# Altium PCB APC1_Sensors.PcbDoc
Units mil, origin at the board's own origin, x right, y up, seen from the top; angles counter-clockwise.
Board outline 1732.28 x 1732.28 mil, 2 copper layers (Top Layer, Bottom Layer), stack 62.209 mil thick; 57 components, 51 nets, 255 pads, 165 vias.
Unrouted connection lines stored in the file: 2.
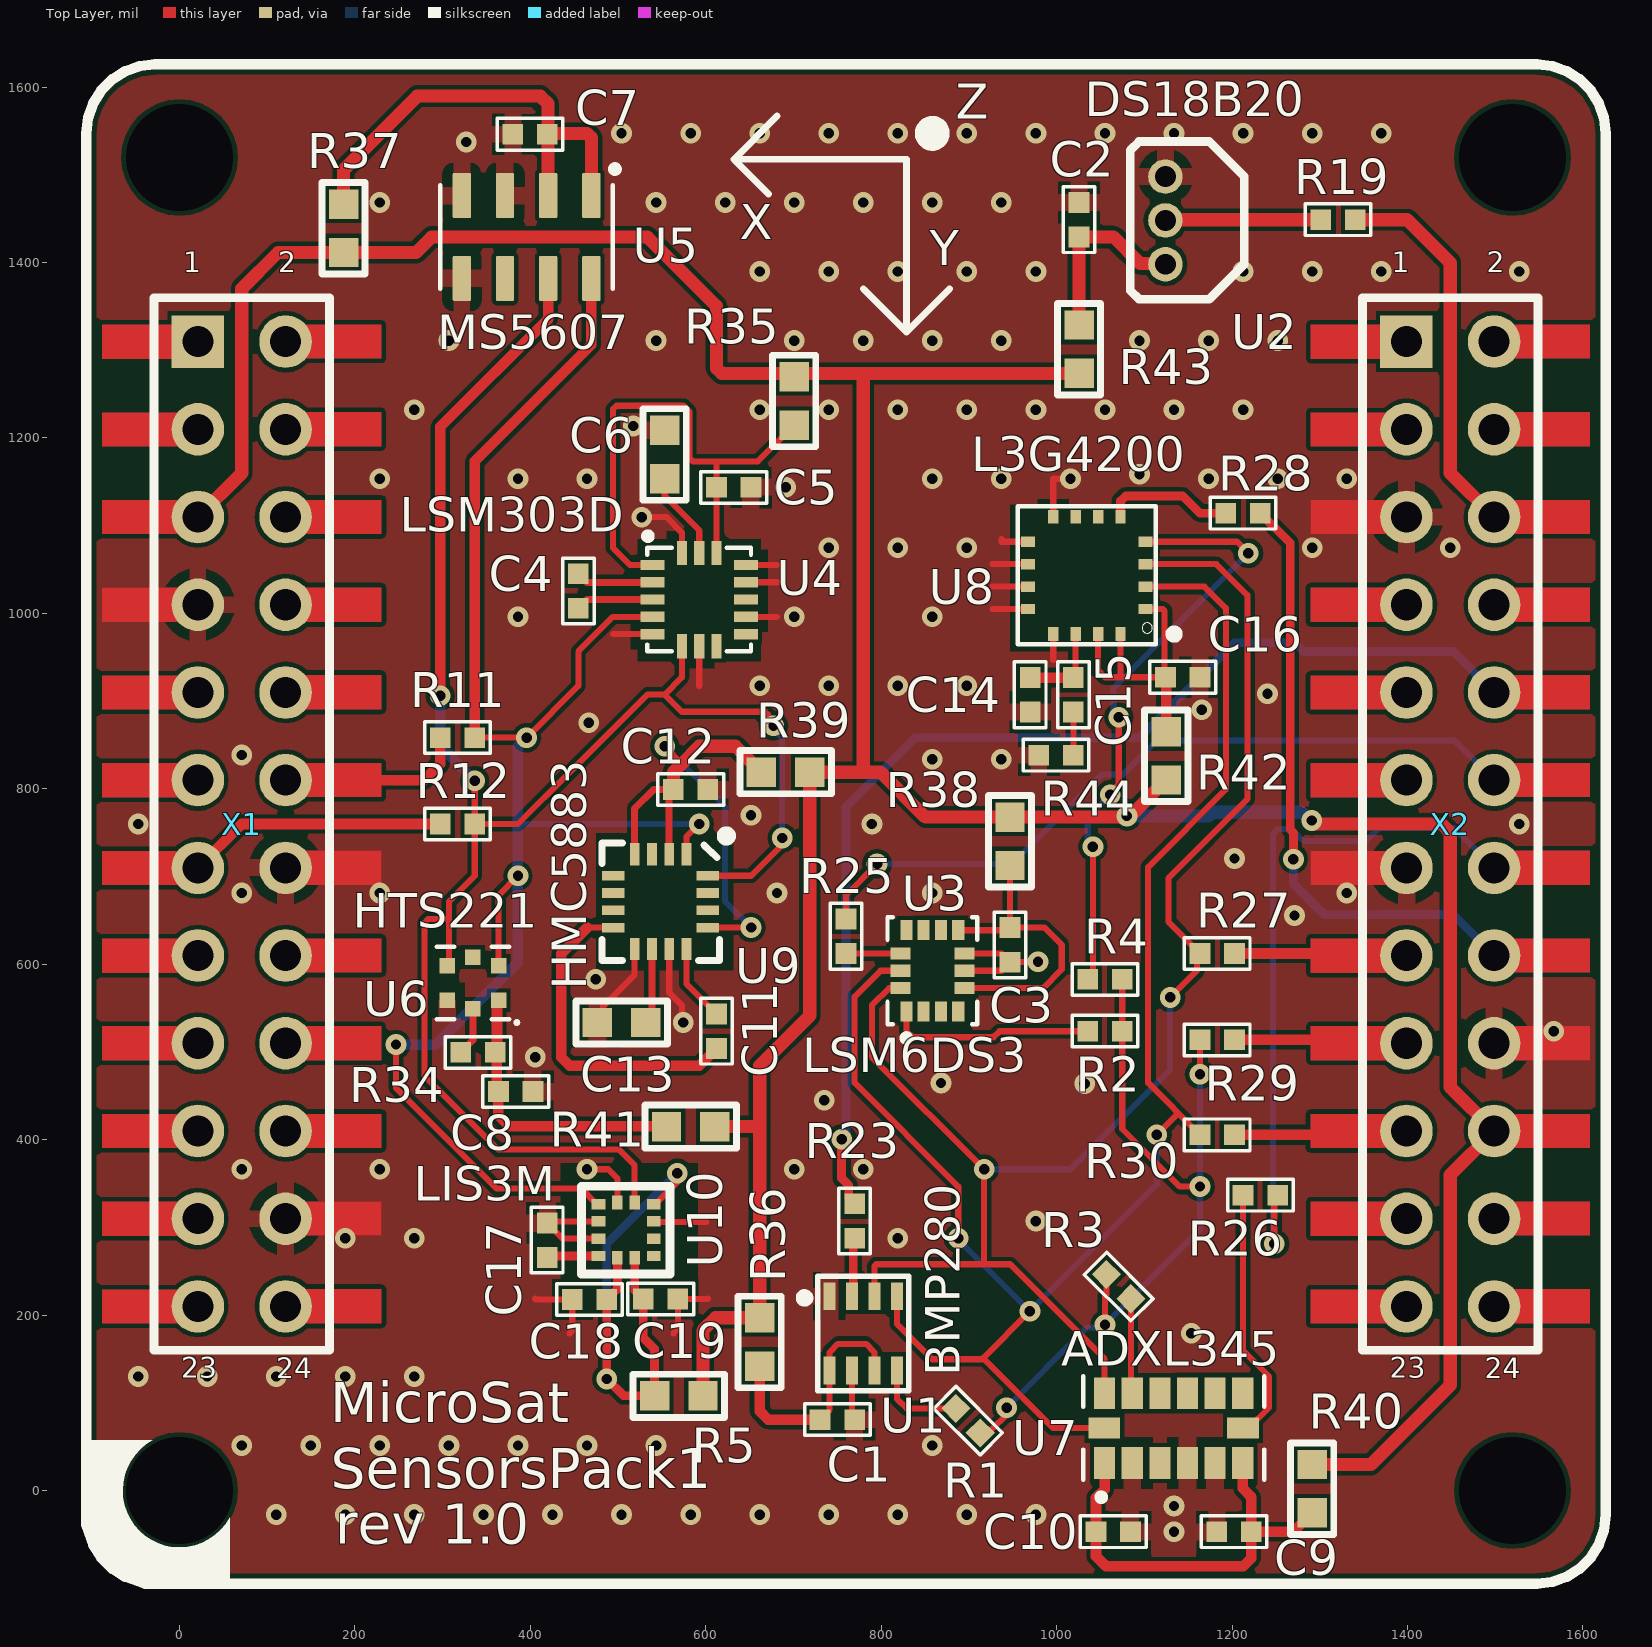
[diagram p0: Top Layer view]
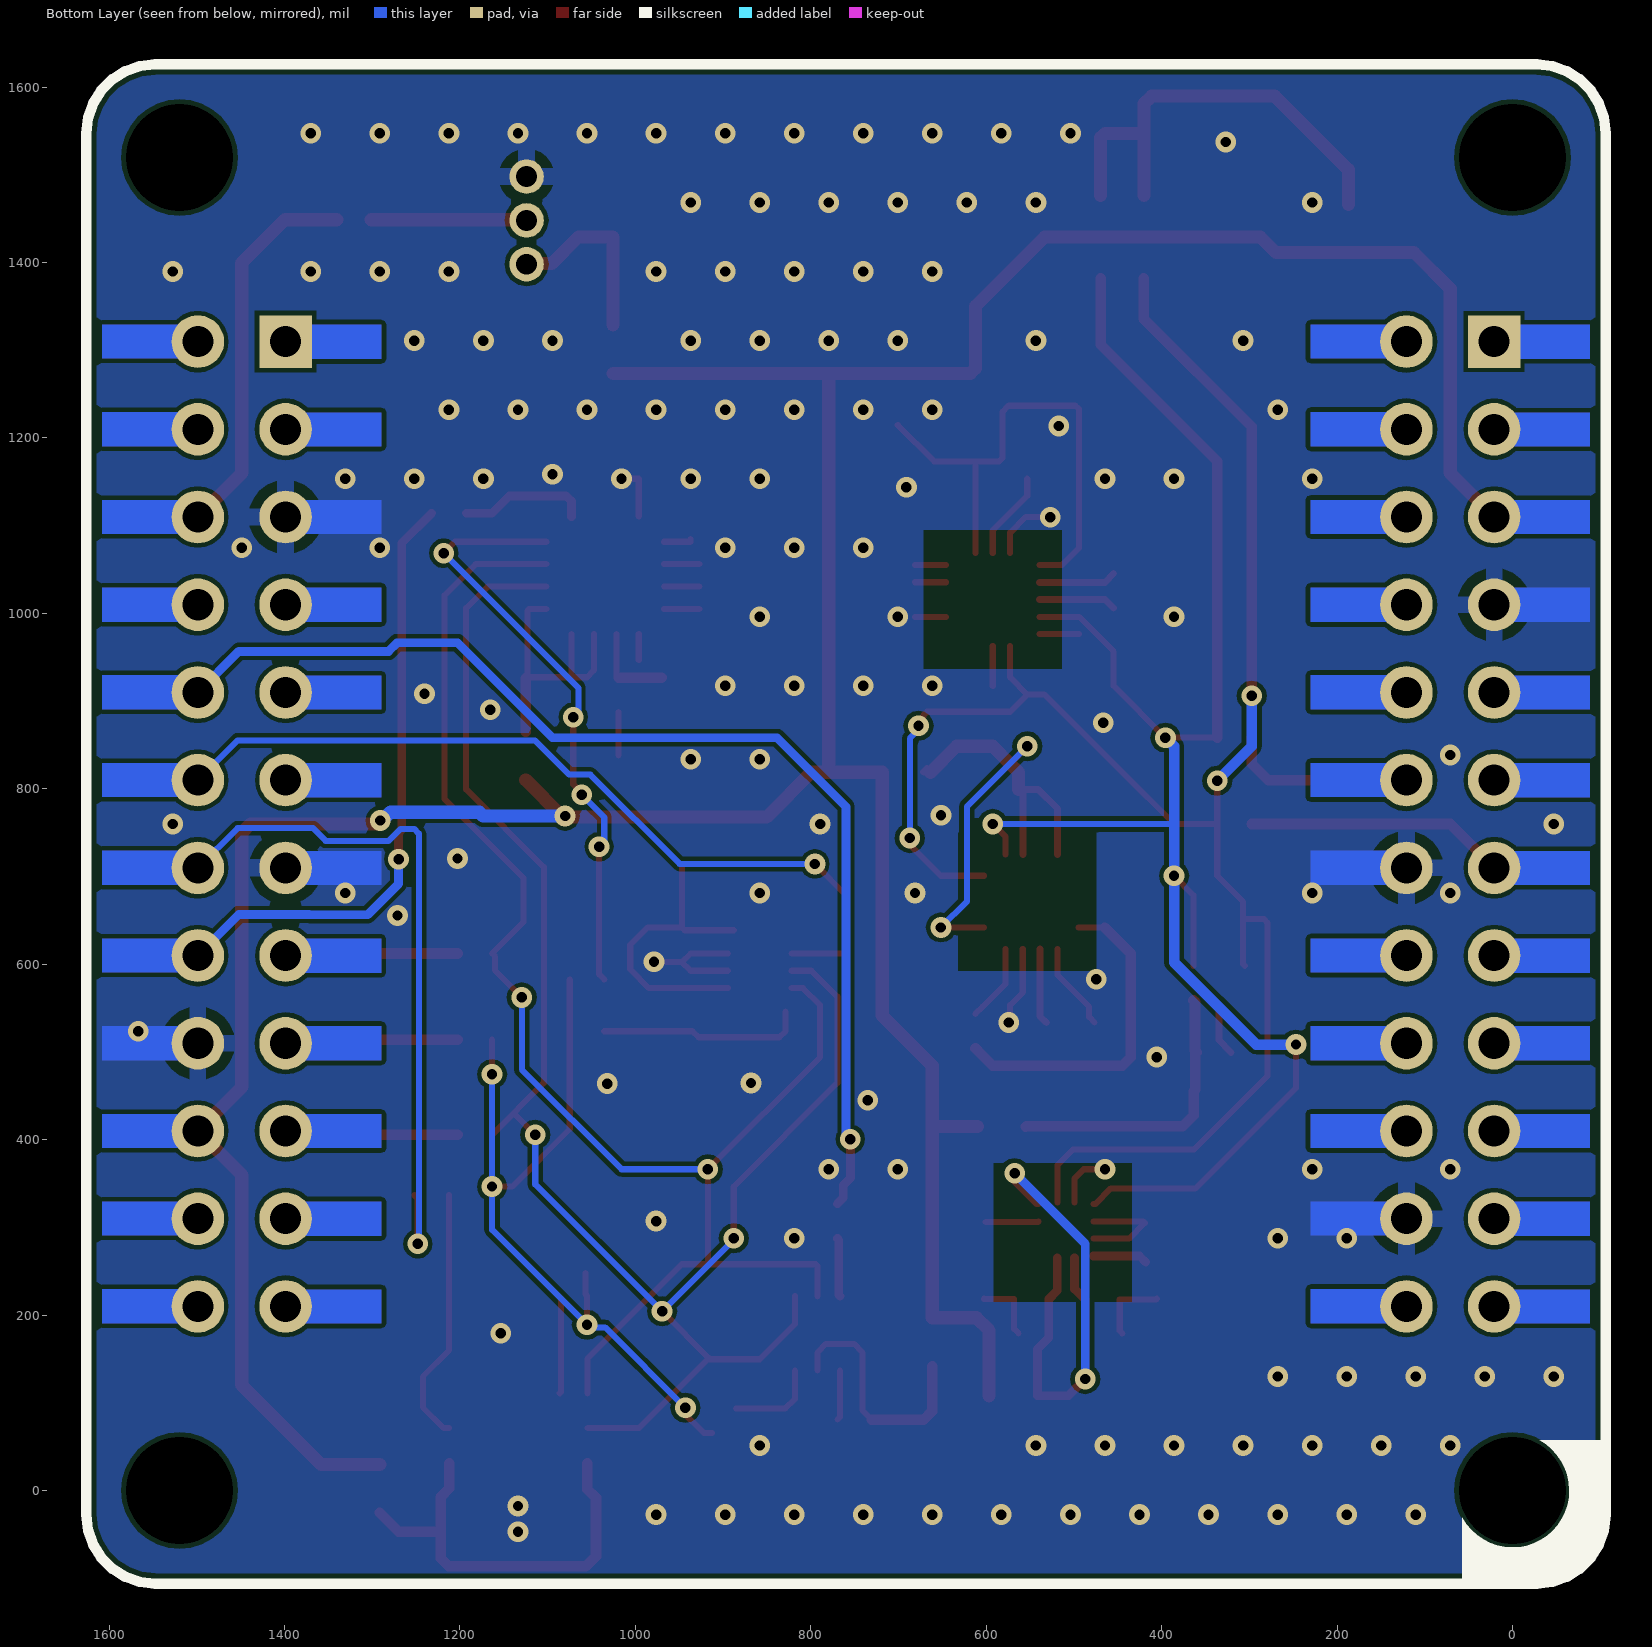
[diagram p1: Bottom Layer view, seen from below]

## Layer stack, top to bottom
Top Solder: solder mask 0.4, Solder Resist, Dk 3.5
Top Layer: signal copper 1.4
Dielectric 1: dielectric 59.4094, FR-4, Dk 4.8
Bottom Layer: signal copper 1.4
Bottom Solder: solder mask 0.4, Solder Resist, Dk 3.5

## Board outline
-106.3,-27.56 -104.33,-45.08 -98.5,-61.72 -89.12,-76.65 -76.65,-89.12 -61.72,-98.5 -45.08,-104.33 -27.56,-106.3 1547.24,-106.3 1564.77,-104.33 1581.41,-98.5 1596.34,-89.12 1608.81,-76.65 1618.19,-61.72 1624.01,-45.08 1625.98,-27.56 1625.98,1547.24 1624.01,1564.77 1618.19,1581.41 1608.81,1596.34 1596.34,1608.81 1581.41,1618.19 1564.77,1624.01 1547.24,1625.98 -27.56,1625.98 -45.08,1624.01 -61.72,1618.19 -76.65,1608.81 -89.12,1596.34 -98.5,1581.41 -104.33,1564.77 -106.3,1547.24

## Design rules (kind name [scope] priority, off if disabled: settings)
BoardOutlineClearance [All] p1: gap=11.81 ignorepadtopadclearanceinfootprint=FALSE
Clearance [All] p1: gap=5 ignorepadtopadclearanceinfootprint=FALSE
ComponentClearance [All] p1: gap=19.68 collisioncheckmode=3 verticalgap=19.68 showdistances=FALSE
DiffPairsRouting [All] p1: maxlimit=15.75 minlimit=7.87 mostfreqgap=7.87 toplayer_minwidth=7.87 toplayer_maxwidth=11.81 toplayer_prefwidth=7.87 bottomlayer_minwidth=7.87 bottomlayer_maxwidth=11.81 bottomlayer_prefwidth=7.87 maxuncoupledlength=500
Height [All] p1: minheight=0 maxheight=1968.5 prefheight=500
HoleSize [All] p1: absolutevalues=TRUE maxlimit=393.7 minlimit=7.87 maxpercent=80.000 minpercent=20.000
HoleToHoleClearance [All] p1: gap=11.81 allowstackedmicrovias=TRUE
MinimumSolderMaskSliver [All] p1: minsoldermaskwidth=7.87
PlaneClearance [All] p1: clearance=19.68
PlaneConnect [All] p1: planeconnectstyle=Relief reliefexpansion=19.68 reliefentries=4 reliefconductorwidth=19.68 reliefairgap=11.81
PolygonConnect PolygonConnect_PadGND [InNet('GND') and IsPad] p1: connectstyle=Relief reliefconductorwidth=19.68 reliefentries=4 polygonreliefangle="90 Angle" airgapwidth=11.81
PolygonConnect PolygonConnect_Via [IsVia] p2: connectstyle=Direct reliefconductorwidth=10 reliefentries=4 polygonreliefangle="90 Angle" airgapwidth=10
PolygonConnect [All] p3: connectstyle=Relief reliefconductorwidth=19.68 reliefentries=4 polygonreliefangle="90 Angle" airgapwidth=11.81
RoutingTopology [All] p1: topology=Vertical
RoutingVias [All] p1: holewidth=7.87 width=15.75 viastyle="Through Hole" minholewidth=7.87 minwidth=15.75 maxholewidth=19.68 maxwidth=47.24
SilkToSolderMaskClearance [IsPad] p1: minsilkscreentomaskgap=7.87 clearancetoexposedcopper=TRUE
SolderMaskExpansion [All] p1: expansion=2.95 istentingtop=FALSE
Width [All] p1: maxlimit=393.7 minlimit=7 preferedwidth=7.87 minimp=50.000000 maximp=50.000000 favimp=50.000000
20 further rules are at their usual default settings.

## Components (designator, comment, footprint, x,y, rotation, side; value= is the part's Value field where it differs from the comment)
C1 "CERCAP 0402 0.1uF * X7R" "CERCAP 0402" 750,80.71 r180 top value=0.1uF
C2 "CERCAP 0402 0.1uF * X7R" "CERCAP 0402" 1025.59,1448.82 r270 top value=0.1uF
C3 "CERCAP 0402 0.1uF * X7R" "CERCAP 0402" 946.85,622.05 r90 top value=0.1uF
C4 "CERCAP 0402 0.22uF * X7R" "CERCAP 0402" 454.72,1025.59 r90 top value=0.22uF
C5 "CERCAP 0402 0.1uF * X7R" "CERCAP 0402" 631.89,1143.7 r180 top value=0.1uF
C6 "CERCAP 0603 4.7uF * X7R" "CERCAP 0603" 553.15,1181.1 r270 top value=4.7uF
C7 "CERCAP 0402 0.1uF * X7R" "CERCAP 0402" 399.65,1546.28 r0 top value=0.1uF
C8 "CERCAP 0402 0.1uF * X7R" "CERCAP 0402" 383.23,454.95 r180 top value=0.1uF
C9 "CERCAP 0402 0.1uF * X7R" "CERCAP 0402" 1202.36,-47.07 r0 top value=0.1uF
C10 "CERCAP 0402 0.1uF * X7R" "CERCAP 0402" 1064.56,-47.07 r180 top value=0.1uF
C11 "CERCAP 0402 0.22uF * X7R" "CERCAP 0402" 612.2,523.62 r270 top value=0.22uF
C12 "CERCAP 0402 0.1uF * X7R" "CERCAP 0402" 582.68,799.21 r180 top value=0.1uF
C13 "CERCAP 0603 4.7uF * X7R" "CERCAP 0603" 503.94,533.46 r0 top value=4.7uF
C14 "CERCAP 0402 10nF * X7R" "CERCAP 0402" 969.89,907.18 r270 top value=10nF
C15 "CERCAP 0402 470nF * X7R" "CERCAP 0402" 1019.1,907.18 r270 top value=470nF
C16 "CERCAP 0402 0.1uF * X7R" "CERCAP 0402" 1143.7,927.16 r180 top value=0.1uF
C17 "CERCAP 0402 0.1uF * X7R" "CERCAP 0402" 419.16,285.36 r270 top value=0.1uF
C18 "CERCAP 0402 0.1uF * X7R" "CERCAP 0402" 467.47,217.67 r0 top value=0.1uF
C19 "CERCAP 0402 0.1uF * X7R" "CERCAP 0402" 548.43,218.15 r180 top value=0.1uF
R1 "RES 0402 330" "RES 0402" 899.02,79.57 r135 top value=330
R2 "RES 0402 330" "RES 0402" 1055.12,523.62 r180 top value=330
R3 "RES 0402 330" "RES 0402" 1070.73,232.42 r315 top value=330
R4 "RES 0402 330" "RES 0402" 1055.12,582.68 r180 top value=330
R5 "RES 0603 0" "RES 0603" 569.19,107.91 r0 top value=0
R11 "RES 0402 330" "RES 0402" 316.93,858.27 r0 top value=330
R12 "RES 0402 330" "RES 0402" 316.93,759.84 r180 top value=330
R19 "RES 0402 330" "RES 0402" 1320.87,1448.82 r180 top value=330
R23 "RES 0402 330" "RES 0402" 769.69,307.09 r270 top value=330
R25 "RES 0402 330" "RES 0402" 759.84,631.89 r270 top value=330
R26 "RES 0402 330" "RES 0402" 1232.28,336.61 r180 top value=330
R27 "RES 0402 330" "RES 0402" 1183.07,612.2 r0 top value=330
R28 "RES 0402 330" "RES 0402" 1212.6,1114.17 r180 top value=330
R29 "RES 0402 330" "RES 0402" 1183.07,513.78 r0 top value=330
R30 "RES 0402 330" "RES 0402" 1183.07,405.51 r0 top value=330
R34 "RES 0402 10k" "RES 0402" 340.34,499.48 r0 top value=10k
R35 "RES 0603 0" "RES 0603" 700.79,1242.13 r90 top value=0
R36 "RES 0603 0" "RES 0603" 661.42,169.29 r90 top value=0
R37 "RES 0603 0" "RES 0603" 187.01,1438.98 r270 top value=0
R38 "RES 0603 0" "RES 0603" 946.85,740.16 r90 top value=0
R39 "RES 0603 0" "RES 0603" 690.94,818.9 r0 top value=0
R40 "RES 0603 0" "RES 0603" 1291.34,1.97 r90 top value=0
R41 "RES 0603 0" "RES 0603" 582.68,414.79 r0 top value=0
R42 "RES 0603 0" "RES 0603" 1125,837.6 r270 top value=0
R43 "RES 0603 0" "RES 0603" 1025.59,1301.18 r270 top value=0
R44 "RES 0402 10k" "RES 0402" 999.42,838.28 r180 top value=10k
U1 "BMP280" LGA8_BMP280 779.51,179.12 r0 top
U2 "DS18B20" TO-92 1124.02,1448.03 r270 top
U3 "LSM6DS3" LGA14_LSM6DS3 858.28,592.5 r90 top
U4 "LSM303DTR" LGA16_LSM303DTR 592.5,1015.74 r0 top
U5 "MS5607" QFN-8(MS5607) 395.66,1429.15 r270 top
U6 "HTS221TR" LGA6_HTS221 334.51,578.5 r180 top
U7 "ADXL345" LGA14_ADXL345 1133.47,71.02 r90 top
U8 "L3G4200" LGA16_L3G4200 1034.45,1043.31 r180 top
U9 "HMC5883L" LGA16_HMC5883L 548.43,671.26 r270 top
U10 "LIS3MDL" LGA12_LIS3MDL 509.06,296.89 r0 top
X1 "PLD24 + PBD24" PICOSAT_CNN 70.87,759.84 r270 top locked
X2 "PLD24 + PBD24" PICOSAT_CNN 1448.82,759.84 r270 top locked

## Footprints (in the part's own frame and the unit in brackets; to place one, negate y for a bottom-side part, rotate by r counter-clockwise, add the part's x,y. Pads: shape width x height; smd on the part's side, far side on the other; paste and mask are expansions set on the pad)
"CERCAP 0402" [mm]
  rect 0.6x0.6 smd: 1(-0.5,0) 2(0.5,0)
  silkscreen extent -0.96,-0.46 0.95,0.46, body extent -0.51,-0.25 0.51,0.25, height 0.51
"CERCAP 0603" [mm]
  rect 0.85x0.85 smd: 1(-0.7,0) 2(0.7,0)
  silkscreen extent -1.33,-0.63 1.33,0.63, body extent -0.8,-0.4 0.8,0.4, height 0.3
LGA6_HTS221 [mm]
  rect 0.44x0.45 smd: 1(-0.745,0.5) 2(-0.745,-0.5) 4(0.745,-0.5) 5(0.745,0.5)
  rect 0.45x0.44 smd: 3(0,-0.745) 6(0,0.745)
  silkscreen extent -1.32,-1.05 1.05,1.19
LGA8_BMP280 [mm]
  rect 0.35x0.8 smd: 1(-0.975,1.075) 2(-0.325,1.075) 3(0.325,1.075) 4(0.975,1.075) 5(0.975,-1.075) 6(0.325,-1.075) 7(-0.325,-1.075) 8(-0.975,-1.075)
  silkscreen extent -1.83,-1.66 1.32,1.65, body extent -1.25,-1 1.25,1, height 1
LGA12_LIS3MDL [mm]
  rect 0.4x0.3 smd: 1(-0.8,0.75) 2(-0.8,0.25) 3(-0.8,-0.25) 4(-0.8,-0.75) 7(0.8,-0.75) 8(0.8,-0.25) 9(0.8,0.25) 10(0.8,0.75)
  rect 0.3x0.4 smd: 5(-0.25,-0.8) 6(0.25,-0.8) 11(0.25,0.8) 12(-0.25,0.8)
  Top Layer pour cut-out: -1.143,-1.143 1.143,-1.143 1.143,1.143 -1.143,1.143
  silkscreen extent -1.29,-1.27 1.27,1.27, body extent -1,-1 1,1, height 1
LGA14_ADXL345 [mm]
  rect 0.92x0.61 smd: 1(-1.01,2) 2(-1.01,1.2) 3(-1.01,0.4) 4(-1.01,-0.4) 5(-1.01,-1.2) 6(-1.01,-2) 8(1.01,-2) 9(1.01,-1.2) 10(1.01,-0.4) 11(1.01,0.4) 12(1.01,1.2) 13(1.01,2)
  rect 0.61x0.92 smd: 7(0,-2.01) 14(0,2.01)
  silkscreen extent -2.1,-2.62 1.5,2.62
LGA14_LSM6DS3 [mm]
  rect 0.58x0.35 smd: 1(-1.175,0.75) 2(-1.175,0.25) 3(-1.175,-0.25) 4(-1.175,-0.75) 8(1.175,-0.75) 9(1.175,-0.25) 10(1.175,0.25) 11(1.175,0.75)
  rect 0.35x0.58 smd: 5(-0.5,-0.925) 6(0,-0.925) 7(0.5,-0.925) 12(0.5,0.925) 13(0,0.925) 14(-0.5,0.925)
  Top Layer pour cut-out: -1.524,-1.27 1.524,-1.27 1.524,1.27 -1.524,1.27
  silkscreen extent -2.05,-1.3 1.55,1.3
LGA16_HMC5883L [mm]
  rect 0.65x0.28 smd: 1(-1.37,0.75) 2(-1.37,0.25) 3(-1.37,-0.25) 4(-1.37,-0.75) 9(1.37,-0.75) 10(1.37,-0.25) 11(1.37,0.25) 12(1.37,0.75)
  rect 0.28x0.65 smd: 5(-0.75,-1.37) 6(-0.25,-1.37) 7(0.25,-1.37) 8(0.75,-1.37) 13(0.75,1.37) 14(0.25,1.37) 15(-0.25,1.37) 16(-0.75,1.37)
  silkscreen extent -2.03,-1.7 1.7,2.03
LGA16_L3G4200 [mm]
  rect 0.4x0.3 smd: 1(-1.7,0.975) 2(-1.7,0.325) 3(-1.7,-0.325) 4(-1.7,-0.975) 9(1.7,-0.975) 10(1.7,-0.325) 11(1.7,0.325) 12(1.7,0.975)
  rect 0.3x0.4 smd: 5(-0.975,-1.7) 6(-0.325,-1.7) 7(0.325,-1.7) 8(0.975,-1.7) 13(0.975,1.7) 14(0.325,1.7) 15(-0.325,1.7) 16(-0.975,1.7)
  silkscreen extent -2,-2 2,2
LGA16_LSM303DTR [mm]
  rect 0.7x0.3 smd: 1(-1.35,1) 2(-1.35,0.5) 3(-1.35,0) 4(-1.35,-0.5) 5(-1.35,-1) 9(1.35,-1) 10(1.35,-0.5) 11(1.35,0) 12(1.35,0.5) 13(1.35,1)
  rect 0.3x0.7 smd: 6(-0.5,-1.35) 7(0,-1.35) 8(0.5,-1.35) 14(0.5,1.35) 15(0,1.35) 16(-0.5,1.35)
  Top Layer pour cut-out: -1.8,-1.806 1.796,-1.806 1.796,1.766 -1.8,1.766
  silkscreen extent -1.59,-1.5 1.5,1.93, body extent -1.5,-1.5 1.5,1.5, height 1
PICOSAT_CNN [mil]
  rect 60x60 hole 35.43: 1(-550,-50)
  round 60 hole 35.43: 2(-550,50) 3(-450,-50) 4(-450,50) 5(-350,-50) 6(-350,50) 7(-250,-50) 8(-250,50) 9(-150,-50) 10(-150,50) 11(-50,-50) 12(-50,50) 13(50,-50) 14(50,50) 15(150,-50) 16(150,50) 17(250,-50) 18(250,50) 19(350,-50) 20(350,50) 21(450,-50) 22(450,50) 23(550,-50) 24(550,50)
  Top Layer region: -369.45,-159.17 -330.39,-159.17 -330.39,-54.5 -369.45,-54.5
  Top Layer region: -330.55,159.17 -369.61,159.17 -369.61,54.5 -330.55,54.5
  Top Layer region: -69.45,-159.17 -30.39,-159.17 -30.39,-54.5 -69.45,-54.5
  Top Layer region: -130.55,159.17 -169.61,159.17 -169.61,54.5 -130.55,54.5
  Top Layer region: 30.55,-159.17 69.61,-159.17 69.61,-54.5 30.55,-54.5
  Top Layer region: 569.45,159.17 530.39,159.17 530.39,54.5 569.45,54.5
  Top Layer region: 530.55,-159.17 569.61,-159.17 569.61,-54.5 530.55,-54.5
  Top Layer region: 469.45,159.17 430.39,159.17 430.39,54.5 469.45,54.5
  Top Layer region: 430.55,-159.17 469.61,-159.17 469.61,-54.5 430.55,-54.5
  Top Layer region: 369.45,159.17 330.39,159.17 330.39,54.5 369.45,54.5
  Top Layer region: 330.55,-159.17 369.61,-159.17 369.61,-54.5 330.55,-54.5
  Top Layer region: 269.45,159.17 230.39,159.17 230.39,54.5 269.45,54.5
  Top Layer region: 230.55,-159.17 269.61,-159.17 269.61,-54.5 230.55,-54.5
  Top Layer region: 169.45,159.17 130.39,159.17 130.39,54.5 169.45,54.5
  Top Layer region: 130.55,-159.17 169.61,-159.17 169.61,-54.5 130.55,-54.5
  Top Layer region: 69.45,159.17 30.39,159.17 30.39,54.5 69.45,54.5
  Top Layer region: -30.55,159.17 -69.61,159.17 -69.61,54.5 -30.55,54.5
  Top Layer region: -169.45,-159.17 -130.39,-159.17 -130.39,-54.5 -169.45,-54.5
  Top Layer region: -230.55,159.17 -269.61,159.17 -269.61,54.5 -230.55,54.5
  Top Layer region: -269.45,-159.17 -230.39,-159.17 -230.39,-54.5 -269.45,-54.5
  Top Layer region: -430.55,159.17 -469.61,159.17 -469.61,54.5 -430.55,54.5
  Top Layer region: -469.45,-159.17 -430.39,-159.17 -430.39,-54.5 -469.45,-54.5
  Top Layer region: -530.55,159.17 -569.61,159.17 -569.61,54.5 -530.55,54.5
  Top Layer region: -569.45,-159.17 -530.39,-159.17 -530.39,-54.5 -569.45,-54.5
  Bottom Layer region: -369.45,-159.17 -330.39,-159.17 -330.39,-54.5 -369.45,-54.5
  Bottom Layer region: -330.55,159.17 -369.61,159.17 -369.61,54.5 -330.55,54.5
  Bottom Layer region: -69.45,-159.17 -30.39,-159.17 -30.39,-54.5 -69.45,-54.5
  Bottom Layer region: -130.55,159.17 -169.61,159.17 -169.61,54.5 -130.55,54.5
  Bottom Layer region: 30.55,-159.17 69.61,-159.17 69.61,-54.5 30.55,-54.5
  Bottom Layer region: -569.45,-159.17 -530.39,-159.17 -530.39,-54.5 -569.45,-54.5
  Bottom Layer region: -530.55,159.17 -569.61,159.17 -569.61,54.5 -530.55,54.5
  Bottom Layer region: -469.45,-159.17 -430.39,-159.17 -430.39,-54.5 -469.45,-54.5
  Bottom Layer region: -430.55,159.17 -469.61,159.17 -469.61,54.5 -430.55,54.5
  Bottom Layer region: -269.45,-159.17 -230.39,-159.17 -230.39,-54.5 -269.45,-54.5
  Bottom Layer region: -230.55,159.17 -269.61,159.17 -269.61,54.5 -230.55,54.5
  Bottom Layer region: -169.45,-159.17 -130.39,-159.17 -130.39,-54.5 -169.45,-54.5
  Bottom Layer region: -30.55,159.17 -69.61,159.17 -69.61,54.5 -30.55,54.5
  Bottom Layer region: 69.45,159.17 30.39,159.17 30.39,54.5 69.45,54.5
  Bottom Layer region: 130.55,-159.17 169.61,-159.17 169.61,-54.5 130.55,-54.5
  Bottom Layer region: 169.45,159.17 130.39,159.17 130.39,54.5 169.45,54.5
  Bottom Layer region: 230.55,-159.17 269.61,-159.17 269.61,-54.5 230.55,-54.5
  Bottom Layer region: 269.45,159.17 230.39,159.17 230.39,54.5 269.45,54.5
  Bottom Layer region: 330.55,-159.17 369.61,-159.17 369.61,-54.5 330.55,-54.5
  Bottom Layer region: 369.45,159.17 330.39,159.17 330.39,54.5 369.45,54.5
  Bottom Layer region: 430.55,-159.17 469.61,-159.17 469.61,-54.5 430.55,-54.5
  Bottom Layer region: 469.45,159.17 430.39,159.17 430.39,54.5 469.45,54.5
  Bottom Layer region: 530.55,-159.17 569.61,-159.17 569.61,-54.5 530.55,-54.5
  Bottom Layer region: 569.45,159.17 530.39,159.17 530.39,54.5 569.45,54.5
  silkscreen extent -600,-100 600,100, body extent -600,-148 600,148, height 386
QFN-8(MS5607) [mm]
  rrect15% 1.31x0.53 smd: 1(-1.2,1.875)
  rrect16% 1.31x0.53 smd: 2(-1.2,0.625) 3(-1.2,-0.625) 4(-1.2,-1.875) 5(1.2,-1.875) 6(1.2,-0.625) 7(1.2,0.625) 8(1.2,1.875)
  silkscreen extent -2.07,-2.5 1.5,2.66, body extent -1.5,-2.5 1.5,2.5, height 1.02
"RES 0402" [mm]
  rect 0.6x0.6 smd: 1(-0.5,0) 2(0.5,0)
  silkscreen extent -0.95,-0.46 0.95,0.46, body extent -0.52,-0.25 0.47,0.25, height 0.34
"RES 0603" [mm]
  rect 0.85x0.85 smd: 1(-0.7,0) 2(0.7,0)
  silkscreen extent -1.33,-0.63 1.33,0.63, body extent -0.8,-0.4 0.8,0.4, height 0.44
TO-92 [mm]
  round 1 hole 0.6: 1(-1.27,0) 2(0,0) 3(1.27,0)
  silkscreen extent -2.29,-1.02 2.29,2.29, body extent -2.29,-0.89 2.29,2.41, height 6.08

## Part data
C1 C2 C3 C4 C5 C6 C7 C8 C9 C10 C11 C12 C13 C14 C15 C16 C17 C18 C19: library part !Capacitor, "Capacitor", Diel=X7R, IsSMT=NoSMT
R1 R2 R3 R4 R5 R11 R12 R19 R23 R25 R26 R27 R28 R29 R30 R34 R35 R36 R37 R38 R39 R40 R41 R42 R43 R44: library part !Resistor, "Resistor", IsSMT=NoSMT
U1: library part BMP(E)280, "Temp/Pres/Hum"
U2: "Temp", IsSMT=NoSMT
U3: "Acc/Gyro", IsSMT=NoSMT
U4: "Acc/Mag"
U5: "Temp/Pres", IsSMT=NoSMT
U6: "Humidity Temperature Sensor 0 ~ 100% RH IÂ²C, SPI Â±4.5% RH 10s Surface Mount", Package="VFLGA-6 STMicroelectronics", Digi-Key_Part_Number=497-15382-1-ND, Digi-Key_Purchase_URL=https://www.digikey.co.za/product-detail/en/stmicroelectronics/HTS221TR/497-15382-1-ND/5180533?utm_source=snapeda&utm_medium=aggregator&utm_campaign=symbol, MF=STMicroelectronics, MP=HTS221TR, Order=HTS221TR, SnapEDA_Link=https://www.snapeda.com/parts/HTS221TR/STMicroelectronics/view-part/231234/?ref=snap
U7: "Acc"
U9: library part Q/HMC5883l, "Gyro"
U10: "Mag", IsSMT=NoSMT
X1 X2: library part "Header 2x12", "10x2 header", IsSMT=NoSMT
  X1: Purpose=Purpose?
  X2: Purpose=BUS_Right

## Free pads (board coordinates)
  round 0 hole 122.05 unplated: 1(0,0) 1(0,1519.68) 1(1519.69,0) 1(1519.69,1519.68)

## Via types
v1: diameter 23.62, hole 11.81, Top Layer to Bottom Layer, tented both sides, 165 vias

## Nets (pads, with @x,y where several pads share a name; then routed paths per layer and width w, separated by ;. In a path a pad name is that pad's centre, name@x,y a point inside that pad or via, vN(x,y) a via of type N, cw(c..) or ccw(c..) an arc to the next point about the centre after c; other vN are vias at no path point)
+3.3V: R5.2 R35.2 R36.2 R37.2 R38.2 R39.2 R40.2 R41.2 R42.2 R43.2 X1.5 X2.20 | length 4352.9
  Top Layer w15: X1.5 70.87,1159.84 70.87,1370.08 112.2,1411.42 R37.2 269.69,1411.42 287.4,1429.13 533.46,1429.13 612.2,1350.39 612.2,1279.53 618.11,1273.62 779.53,1273.62 ; R5.2 596.74,182.45 611.15,196.85 R36.2 661.42,415.35 ; R41.2 660.86,414.79 661.42,415.35 ; 661.59,415.52 661.42,415.35 ; R43.2 779.53,1273.62 ; v1(1080.11,768.92) 1078.91,767.72 R38.2 850.39,767.72 799.21,818.9 779.53,818.9 ; v1@1082.68,767.72 R42.2 ; v1(1290.97,763.85) 1294.98,759.84 1438.98,759.84 1448.82,750 1448.82,459.84 X2.20 1448.82,359.84 1448.82,120.08 1358.27,29.53 R40.2 ; 661.42,415.35 661.42,484.25 718.5,541.34 R39.2 779.53,818.9 ; 779.53,818.9 779.53,1273.62
  Bottom Layer w15: v1(1080.11,768.92) 1173.73,768.92 1178.03,773.22 1279.27,773.22 1288.64,763.85 v1(1290.97,763.85)
ADXL_VCC: C9.2 C10.2 R40.1 U7.1 U7.6 | length 487
  Top Layer w12: U7.1 1054.73,1.58 1044.88,-8.28 C10.2 1044.88,-75.16 1056.33,-86.61 1212.6,-86.61 1222.04,-77.17 C9.2 ; U7.6 1212.21,2.36 1222.04,-7.47 C9.2 ; R40.1 1269.86,-47.07 C9.2
BMP_VCC: C1.2 R36.1 U1.6 U1.8 | length 285.1
  Top Layer w7: C1.2 741.13,91.52 U1.8 741.13,157.44 750.7,167.02 782.73,167.02 792.31,157.44 U1.6
  Top Layer w12: R36.1 661.42,90.55 671.26,80.71 C1.2
CAPC: C4.2 U4.2 | length 88.7
  Top Layer w7.87: C4.2 464.58,1035.42 U4.2
CS1: R28.2 U8.5 | length 148.4
  Top Layer w10: U8.5 1072.83,1128 1078.69,1133.86 1143.7,1133.86 1163.39,1114.17 R28.2
CS2: R26.2 U7.7 | length 293.6
  Top Layer w7: U7.7 1218.7,71.02 1242.13,94.45 1242.13,129.92 1212.6,159.45 R26.2
CS3: R25.2 U3.12 | length 62
  Top Layer w7: R25.2 U3.12
CS4: R23.2 U1.2 | length 67.2
  Top Layer w10: U1.2 768.2,222.93 768.2,285.92 R23.2
DS_VCC: C2.2 R43.1 U2.3 | length 211.4
  Top Layer w15: R43.1 C2.2 1064.96,1429.13 1095.26,1398.83 U2.3@1124.01,1398.83
GND: C1.1 C2.1 C3.1 C5.1 C6.1 C7.1 C8.1 C9.1 C10.1 C12.1 C13.1 C14.2 C16.1 C17.1 C18.1 C19.1 R44.2 U1.1 U1.7 U2.1 U3.6 U3.7 U4.5 U4.7 U4.10 U4.12 U4.13 U4.16 U5.3 U5.4 U5.5 U6.5 U7.2 U7.4 U7.5 U8.8 U8.9 U8.10 U8.11 U8.12 U8.13 U9.9 U9.11 U10.2 U10.3 U10.9 U10.12 X1.7 X1.14 X1.22 X2.5 X2.13 X2.18 | length 1321.7
  Top Layer w7: 405.51,218.5 406.35,217.67 C18.1 447.78,182.04 444.88,179.13 ; v1(464.57,366.14) 488.77,366.14 499.21,355.69 U10.12 ; C13.1 482.75,539.83 482.75,551.65 518.9,587.79 U9.9 ; U10.3 437.15,287.04 C17.1 420.84,306.73 U10.2 ; 494.11,976.37 U4.5 ; v1(527.05,1109.71) 555.22,1109.71 572.82,1092.11 U4.16 ; U10.9 541.26,306.02 600.7,306.02 ; U9.11 558.27,567.72 572.83,553.15 v1@572.83,534.81 ; 562.99,179.13 568.11,184.25 C19.1 602.01,218.15 602.36,218.5 ; 592.5,917.34 U4.7 ; U4.10 681.09,996.05 ; U4.12 681.09,1035.42 ; U4.13 681.09,1055.11 ; U1.7 766.72,83.68 C1.1 ; U3.6 936.99,592.5 C3.1 ; U3.7 937.02,612.19 C3.1 ; 927.17,1004.92 U8.12 ; 927.17,1030.51 U8.11 ; 927.17,1056.1 U8.10 ; 937.01,1084.65 937.01,1081.69 U8.9 ; v1(978.75,602.94) 978.17,602.36 C3.1 ; 996.06,946.85 U8.13 ; U8.8 996.06,1153.55 v1(1015.75,1153.55)
  other v1: 1133.86,-47.24 110.24,-27.56 188.98,-27.56 267.72,-27.56 346.46,-27.56 425.2,-27.56 503.94,-27.56 582.68,-27.56 661.42,-27.56 740.16,-27.56 818.9,-27.56 897.64,-27.56 976.38,-27.56 1133.86,-17.72 70.87,51.18 149.61,51.18 228.35,51.18 307.09,51.18 385.83,51.18 464.57,51.18 543.31,51.18 858.27,51.18 -47.24,129.92 31.5,129.92 110.24,129.92 188.98,129.92 267.72,129.92 1153.54,179.13 188.98,287.4 267.72,287.4 818.9,287.4 976.38,307.09 70.87,366.14 228.35,366.14 700.79,366.14 779.53,366.14 735.16,444.88 868.11,464.57 1032.12,463.87 405.51,494.09 1566.93,523.63 574.17,533.47 474.41,582.68 1271.23,655.53 70.87,681.11 228.35,681.11 681.1,681.1 858.27,681.11 1330.71,681.11 1202.76,720.47 -47.24,759.85 789.37,759.84 1527.56,759.85 651.57,769.68 858.27,833.58 937.01,833.58 70.87,838.59 466.57,875.15 1165.52,890.12 1240.4,908.43 661.42,917.33 740.16,917.33 818.9,917.33 897.64,917.33 385.83,996.07 700.79,996.07 858.27,996.07 740.16,1074.81 818.9,1074.81 897.64,1074.81 1291.34,1074.81 1448.82,1074.81 690.94,1143.7 228.35,1153.55 385.83,1153.55 464.57,1153.55 858.27,1153.55 937.01,1153.55 1173.23,1153.55 1251.97,1153.55 1330.71,1153.55 1094.49,1158.54 517.28,1213.58 267.72,1232.29 661.42,1232.29 740.16,1232.29 818.9,1232.29 897.64,1232.29 976.38,1232.29 1055.12,1232.29 1133.86,1232.29 1212.6,1232.29 307.09,1311.03 543.31,1311.03 700.79,1311.03 779.53,1311.03 858.27,1311.03 937.01,1311.03 1094.49,1311.03 1173.23,1311.03 1251.97,1311.03 661.42,1389.77 740.16,1389.77 818.9,1389.77 897.64,1389.77 976.38,1389.77 1212.6,1389.77 1291.34,1389.77 1370.08,1389.77 1527.56,1389.77 228.35,1468.51 543.31,1468.51 622.05,1468.51 700.79,1468.51 779.53,1468.51 858.27,1468.51 937.01,1468.51 326.77,1537.4 503.94,1547.25 582.68,1547.25 661.42,1547.25 740.16,1547.25 818.9,1547.25 897.64,1547.25 976.38,1547.25 1055.12,1547.25 1133.86,1547.25 1212.6,1547.25 1291.34,1547.25 1370.08,1547.25
HMC_VCC: C12.2 R39.1 U9.2 U9.4 U9.13 | length 653.9
  Top Layer w7: v1(553.15,848.42) 572.83,828.74 ; U9.13 v1@651.57,641.73
  Top Layer w8: U9.4 518.9,777.49 540.62,799.21 C12.2@558.27,799.21 ; U9.2 C12.2@558.27,799.21 ; C12.2 C12.2@558.27,799.21 ; R39.1@667.32,822.83 R39.1@671.26,818.9
  Top Layer w15: C12.2 562.99,818.9 572.83,828.74 592.52,848.42 633.86,848.42 R39.1
  Bottom Layer w7: v1(553.15,848.42) 622.05,779.53 622.05,671.46 v1(651.61,641.9)
HTS_Vcc: C8.2 R34.2 R41.1 U6.1 | length 331.5
  Top Layer w12: R34.2@362.26,501.71 R34.2@361.93,501.38 ; U6.1 361.93,556.91 R34.2@361.93,501.38 ; R41.1 554.55,415.35 375.98,415.35 363.54,427.79 C8.2 361.79,456.71 361.79,497.72 R34.2 R34.2@361.93,501.38
L3G_VCC: C16.2 R42.1 U8.1 U8.15 U8.16 | length 332.4
  Top Layer w7: U8.15 1047.24,935.04 1055.12,927.16 1074.8,927.16 ; U8.16 1072.83,929.13 1074.8,927.16 ; U8.1 1120.98,1004.92 1123.03,1002.87 1123.03,928.15 C16.2 1074.8,927.16
  Top Layer w12: C16.2 1125,926.18 R42.1
LIS_VCC: C18.2 C19.2 R5.1 U10.5 U10.6 U10.10 | length 685.4
  Top Layer w7: U10.10 542.52,326.41 572.4,356.3 v1@572.83,356.3
  Top Layer w10: U10.5 499.21,229.73 C18.2 v1(487.15,127.02) 506.27,107.91 R5.1 541.63,161.13 528.74,174.01 C19.2 518.9,227.99 U10.6
  Bottom Layer w10: v1(487.15,127.02) 487.15,281.31 v1(567.59,361.74)
LSM303_VCC: C5.2 R35.1 U4.1 U4.14 | length 598.4
  Top Layer w7: U4.1 513.79,1055.11 494.09,1074.8 494.09,1232.67 498.2,1236.77 574.59,1236.77 581.26,1230.1 581.26,1177.33 585.36,1173.23 612.19,1173.23 ; U4.14 612.19,1173.23 ; R35.1 659.45,1173.23 612.19,1173.23
LSM_VCC: C3.2 R38.1 U3.5 U3.8 | length 346.3
  Top Layer w7: U3.8 943.88,638.76 C3.2 ; U3.5 984.54,572.82 1005.91,594.18 1005.91,622.05 986.22,641.73 C3.2 ; R38.1 C3.2
MISO: R29.1
MOSI: R27.1
MS_Vcc: C7.2 R37.1 U5.1 U5.2 | length 532.7
  Top Layer w15: R37.1 187.01,1505.9 270.85,1589.74 411.48,1589.74 420.26,1580.96 C7.2@420.26,1547.24 ; U5.2 C7.2@420.26,1547.24 ; U5.1 469.48,1542.33 464.57,1547.24 C7.2@420.26,1547.24
NetC4_1: C4.1 U4.3 | length 88.7
  Top Layer w7.87: C4.1 464.56,1015.74 U4.3
NetC6_2: C6.2 U4.15 | length 101
  Top Layer w7: C6.2 553.15,1133.86 592.5,1094.5 U4.15
NetC11_1: C11.1 U9.12 | length 88.2
  Top Layer w7: U9.12 577.95,577.56 603.89,551.62 C11.1
NetC11_2: C11.2 U9.8 | length 379.2
  Top Layer w7: 464.57,641.73 U9.8
  Top Layer w12: 464.57,641.73 435.04,612.2 435.04,494.09 444.88,484.25 592.52,484.25 606.39,498.13 C11.2
NetC13_2: C13.2 U9.10 | length 86.8
  Top Layer w8: C13.2 538.58,540.55 U9.10
NetC14_1: C14.1 C15.1 U8.14 | length 99.8
  Top Layer w7: C15.1 1021.65,929.41 U8.14
  Top Layer w12: C14.1 C15.1
NetC15_2: C15.2 R44.1 | length 49.2
  Top Layer w7: R44.1 C15.2
NetC17_2: C17.2 U10.4 | length 62.6
  Top Layer w10: C17.2@418,260.08 425.28,267.36 U10.4
NetR1_1: R1.1 R2.1 R3.1 R4.1 | length 915.3
  Top Layer w7: R1.1 921.95,65.65 v1@946.85,90.55 ; v1(1055.12,188.98) 1055.12,221.76 1056.81,223.45 R3.1 R3.1@1056.81,248.03 ; R4.1 R2.1 1074.8,412.09 1140.44,346.46 v1(1163.39,346.46) ; v1(1163.39,474.41) 1163.39,513.78
  Bottom Layer w7: v1(942.93,94.23) 1034.49,185.8 1051.94,185.8 v1(1055.12,188.98) 1163.39,297.24 v1(1163.39,346.46) v1(1163.39,474.41) v1@1163.39,478.28
NetR1_2: R1.2 U1.5 | length 104.1
  Top Layer w7: U1.5 817.9,104.49 828.91,93.49 R1.2
NetR2_2: R2.2 U3.1 | length 235.1
  Top Layer w7: U3.1 828.75,523.61 835.68,516.68 927.93,516.68 934.87,523.62 R2.2
NetR3_2: R3.2 U7.12 | length 108.4
  Top Layer w7: R3.2 1084.65,112.36 U7.12
NetR4_2: R4.2 U8.4 | length 684.4
  Top Layer w7: R4.2 1041.35,588.6 v1(1041.35,733.99) ; v1@1055.12,789.37 1070.88,805.13 v1(1070.88,881.63) ; U8.4 1205.71,1081.69 v1@1212.6,1074.8
  Bottom Layer w7: v1@1035.43,730.31 1035.43,767.45 v1(1061.04,793.05) ; v1@1064.96,887.79 1064.96,915.08 v1(1218.52,1068.64)
NetR11_1: R11.1 X1.12 | length 213.7
  Top Layer w12: X1.12 278.35,809.84 297.24,828.74 R11.1
NetR12_2: R12.2 X1.13 | length 297.1
  Top Layer w12: X1.13 70.87,759.84 R12.2
NetR19_1: R19.1 X2.6 | length 439.1
  Top Layer w15: R19.1 1399.61,1448.82 1448.82,1399.61 1448.82,1159.84 X2.6
NetR23_1: R23.1 X2.10 | length 1300.9
  Top Layer w10: v1(754.85,400.51) 754.85,355.92 762.87,347.89 762.87,333.58 R23.1
  Bottom Layer w10: v1(754.85,400.51) 759.84,405.51 759.84,779.53 838.58,858.27 1094.49,858.27 1202.76,966.53 1271.65,966.53 1281.54,956.65 1452.01,956.65 X2.10
NetR25_1: R25.1 X2.12 | length 865.5
  Top Layer w7: R25.1 759.84,678.86 v1(795.29,714.31)
  Bottom Layer w7: v1@789.37,710.63 793.05,714.31 v1(795.29,714.31) 949.51,714.31 1051.43,816.24 1075.61,816.24 1114.53,855.15 1453.51,855.15 X2.12
NetR26_1: R26.1 X2.14 | length 810
  Top Layer w7: v1(1248.04,281.24) 1248.04,332.69 R26.1
  Bottom Layer w7: v1(1248.04,281.24) 1246.77,282.51 1246.77,702.12 1246.77,748.97 1252.15,754.34 1267.69,754.34 1281.37,740.66 1353.02,740.66 1367.51,755.15 1453.51,755.15 X2.14
NetR27_2: R27.2 X2.15 | length 197
  Top Layer w12: R27.2 1396.46,612.2 X2.15
NetR28_1: R28.1 X2.16 | length 701
  Top Layer w10: R28.1 1266.29,1080.17 1266.29,753.62 1269.96,749.95 v1(1269.96,719.81)
  Bottom Layer w10: v1(1269.96,719.81) 1269.96,691.71 1305.25,656.42 1371.75,656.42 1371.98,656.65 1452.01,656.65 X2.16
NetR29_2: R29.2 X2.17 | length 197.7
  Top Layer w12: R29.2 1394.88,513.78 X2.17
NetR30_2: R30.2 X2.19 | length 197.9
  Top Layer w12: R30.2 1394.49,405.51 X2.19
NetR34_1: R34.1 U6.6 | length 55.4
  Top Layer w7.87: R34.1 334.51,513.33 U6.6
NetU1_3: U1.3 U3.14 U7.13 U8.3 | length 1763
  Top Layer w7: U1.3 792.31,255.82 794.36,257.87 917.32,257.87 ; U3.14 821.82,572.77 808.99,572.77 789.37,553.15 789.37,494.09 v1(917.32,366.14) 917.32,257.87 ; U7.13 1054.73,150 946.85,257.87 917.32,257.87 ; U8.3 1182.09,1056.1 1217.48,1020.71 1217.48,788.26 1127.56,698.33 1127.56,648.03 1163.39,612.2 1159.97,608.79 1159.97,592.66 v1@1132.61,565.3
  Bottom Layer w7: v1(917.32,366.14) 1015.75,366.14 1129.43,479.83 v1(1129.43,562.12)
NetU1_4: U1.4 U3.13 U7.14 U8.2 | length 1959.5
  Top Layer w7: U1.4 817.9,189.84 858.2,149.54 914.83,149.54 916.11,150.82 ; U3.13 799.2,592.5 769.69,562.99 769.69,464.57 887.8,346.46 v1(887.8,287.4) ; v1(969.54,204.25) 916.11,150.82 ; U7.14 995.91,71.02 916.11,150.82 ; U8.2 1168.31,1030.51 1192.91,1005.9 1192.91,799.21 1104.33,710.63 1104.33,464.57 1163.39,405.51 ; v1(1114.17,405.51) 1137.94,429.28 1139.6,429.28
  Bottom Layer w7: v1(887.8,287.4) 887.8,286 v1(969.54,204.25) 1114.17,348.88 v1(1114.17,405.51)
NetU6_3: U6.3
PA8: R19.2 U2.2 | length 177.2
  Top Layer w15: U2.2@1124.02,1448.82 R19.2
SCK: R30.1
SCL: R11.2 U4.4 U5.8 U6.2 U9.1 U10.1 | length 1993.7
  Top Layer w7: v1(246.85,508.38) 246.85,458.73 361.31,344.28 457.73,344.28 475.59,326.41 U10.1 ; R11.2 v1(395.67,858.27) 454.72,917.32 454.72,956.69 494.08,996.05 U4.4 ; U6.2 363.84,678.8 v1(385.83,700.79) ; U9.1 577.95,745.28 v1(592.52,759.84)
  Top Layer w12: R11.2 336.61,1173.23 469.48,1306.09 U5.8
  Bottom Layer w7: 385.83,759.84 v1(592.52,759.84)
  Bottom Layer w12: v1(246.85,508.38) 291.84,508.38 385.83,602.36 v1(385.83,700.79) 385.83,759.84 385.83,848.42 v1(395.67,858.27)
SDA: R12.1 U4.6 U5.7 U6.4 U9.16 U10.11 | length 2112.8
  Top Layer w7: U6.4 307.09,600.09 307.09,651.57 ; v1(336.61,809.05) R12.1 ; U10.11 518.9,370.87 501.16,388.6 363.16,388.6 279.44,472.33 279.44,647.47 283.54,651.57 307.09,651.57 ; U4.6 572.82,927.15 553.15,907.48 ; U9.16 651.57,700.79 v1@690.94,740.16 ; v1(677.18,871.79) 677.18,876.29 671.53,881.94 671.53,883.69 667.43,887.79 572.83,887.79 553.15,907.48 ; 307.09,651.57 307.09,671.26 336.61,700.79 R12.1 ; R12.1 385.83,759.84 444.88,818.9 533.46,907.48 553.15,907.48
  Top Layer w12: v1(297.24,905.97) 297.24,1212.6 420.26,1335.62 U5.7
  Bottom Layer w7: v1(677.18,871.79) 677.18,867.29 687.02,857.45 v1(687.02,743.84)
  Bottom Layer w12: v1(297.24,905.97) 297.24,848.42 v1(336.61,809.05)
Vcc: U4.8
pads on no net: U3.2 U3.3 U3.4 U3.9 U3.10 U3.11 U4.9 U4.11 U5.6 U7.3 U7.8 U7.9 U7.10 U7.11 U8.6 U8.7 U9.3 U9.5 U9.6 U9.7 U9.14 U9.15 U10.7 U10.8 X1.1 X1.2 X1.3 X1.4 X1.6 X1.8 X1.9 X1.10 X1.11 X1.15 X1.16 X1.17 X1.18 X1.19 X1.20 X1.21 X1.23 X1.24 X2.1 X2.2 X2.3 X2.4 X2.7 X2.8 X2.9 X2.11 X2.21 X2.22 X2.23 X2.24

## Polygon pours and split planes (outlines as drawn)
GND on Bottom Layer "GND_BOT" (solid, remove dead copper, pour order 1): -106.3,-27.56 -104.33,-45.08 -98.5,-61.72 -89.12,-76.65 -76.65,-89.12 -61.72,-98.5 -45.08,-104.33 -27.56,-106.3 1547.24,-106.3 1564.77,-104.33 1581.41,-98.5 1596.34,-89.12 1608.81,-76.65 1618.19,-61.72 1624.01,-45.08 1625.98,-27.56 1625.98,1547.24 1624.01,1564.77 1618.19,1581.41 1608.81,1596.34 1596.34,1608.81 1581.41,1618.19 1564.77,1624.01 1547.24,1625.98 -27.56,1625.98 -45.08,1624.01 -61.72,1618.19 -76.65,1608.81 -89.12,1596.34 -98.5,1581.41 -104.33,1564.77 -106.3,1547.24
GND on Top Layer "GND_TOP" (solid, remove dead copper, pour order 0): -106.3,-27.56 -104.33,-45.08 -98.5,-61.72 -89.12,-76.65 -76.65,-89.12 -61.72,-98.5 -45.08,-104.33 -27.56,-106.3 1547.24,-106.3 1564.77,-104.33 1581.41,-98.5 1596.34,-89.12 1608.81,-76.65 1618.19,-61.72 1624.01,-45.08 1625.98,-27.56 1625.98,1547.24 1624.01,1564.77 1618.19,1581.41 1608.81,1596.34 1596.34,1608.81 1581.41,1618.19 1564.77,1624.01 1547.24,1625.98 -27.56,1625.98 -45.08,1624.01 -61.72,1618.19 -76.65,1608.81 -89.12,1596.34 -98.5,1581.41 -104.33,1564.77 -106.3,1547.24

## Other copper
Top Layer:
  pour cut-out: 434.1,216.02 591.58,216.02 591.58,373.5 434.1,373.5
  pour cut-out: 946.85,956.69 1114.17,956.69 1114.17,1124.02 946.85,1124.02
  pour cut-out: 474.41,592.52 631.89,592.52 631.89,750 474.41,750
Bottom Layer:
  pour cut-out: 433.95,215.36 591.43,215.36 591.43,372.84 433.95,372.84
  pour cut-out: 474.41,592.52 631.89,592.52 631.89,750 474.41,750
  pour cut-out: 513.78,937.01 671.26,937.01 671.26,1094.49 513.78,1094.49

## Silkscreen, mask and mechanical layers (free items; w line width, h text height)
Top Overlay:
  circle w20: c858.27,1547.24 r9.84
  region: -100.45,-44.2 -102.35,-38.77 -102.35,57.07 -31.13,57.07 ccw(c0,0) 57.07,-31.13 57.07,-102.35 -38.77,-102.35 -43.76,-100.6 -60,-94.92 -74.17,-86.01 -86.01,-74.17 -94.92,-60
  lines w7.87: 671.26,1478.35 631.89,1517.72 ; 681.1,1566.93 631.89,1517.72 ; 779.53,1370.08 828.74,1320.87 ; 877.95,1370.08 868.11,1360.24 828.74,1320.87 ; 631.89,1517.72 828.74,1517.72 828.74,1320.87
  lines w10: 1136.5,980.47 ccw(c1133.86,976.38) 1137.3,979.82
  lines w11.81: -106.3,-39.44 -106.3,1547.24 -104.32,1564.76 -98.5,1581.41 -89.12,1596.34 -76.65,1608.81 -61.72,1618.19 -45.08,1624.01 -27.56,1625.98 1547.24,1625.98 1564.77,1624.01 1581.41,1618.19 1596.34,1608.81 1608.81,1596.34 1618.19,1581.41 1624.01,1564.76 1625.98,1547.24 1625.98,-27.56 1624.01,-45.08 1618.19,-61.72 1608.81,-76.65 1596.34,-89.12 1581.41,-98.5 1564.77,-104.33 1547.24,-106.3 63,-106.3 -39.44,-106.3 -61.72,-98.5 -76.65,-89.12 -89.12,-76.65 -98.5,-61.72 -106.3,-39.44 ; -106.3,61.02 -106.3,61.02
  text "DS18B20" at 1031.89,1566.6 h39.37
  text "Z" at 884.95,1564.09 h40
  text "X" at 638.89,1426.29 h40
  text "Y" at 855.43,1396.76 h40
  text "1" at 4.11,1381.06 h40
  text "2" at 112.38,1381.06 h40
  text "1" at 1382.06,1381.06 h40
  text "2" at 1490.33,1381.06 h40
  text "MS5607" at 293.7,1300.85 h39.37
  text "L3G4200" at 902.56,1161.78 h39.37
  text "LSM303D" at 251.29,1092.86 h39.37
  text "HTS221" at 197.7,641.43 h39.37
  text "HMC5883" at 463.96,570.65 h39.37 r90
  text "LSM6DS3" at 710.15,476.62 h39.37
  text "LIS3M" at 266.78,330.48 h39.37
  text "ADXL345" at 1005.42,141.98 h39.37
  text "BMP280" at 889.66,130.36 h39.37 r90
  text "23" at 1.97,120.6 h40
  text "24" at 110.24,120.08 h40
  text "23" at 1379.92,120.6 h40
  text "24" at 1488.19,120.08 h40
  text "MicroSat" at 172.06,62.34 h78.74
  text "SensorsPack1" at 172.37,-12.84 h78.74
  text "rev 1.0" at 177.36,-76.17 h78.74
Bottom Overlay:
  region: -100.45,-44.2 -102.35,-38.77 -102.35,57.07 -31.13,57.07 ccw(c0,0) 57.07,-31.13 57.07,-102.35 -38.77,-102.35 -43.76,-100.6 -60,-94.92 -74.17,-86.01 -86.01,-74.17 -94.92,-60
  lines w11.81: -106.3,-27.56 -104.32,-45.08 -98.5,-61.72 -89.12,-76.65 -76.65,-89.12 -61.72,-98.5 -45.08,-104.33 -27.56,-106.3 1547.24,-106.3 1564.77,-104.33 1581.41,-98.5 1596.34,-89.12 1608.81,-76.65 1618.19,-61.72 1624.01,-45.08 1625.98,-27.56 1625.98,1547.24 1624.01,1564.76 1618.19,1581.41 1608.81,1596.34 1596.34,1608.81 1581.41,1618.19 1564.77,1624.01 1547.24,1625.98 -27.56,1625.98 -45.08,1624.01 -61.72,1618.19 -76.65,1608.81 -89.12,1596.34 -98.5,1581.41 -104.32,1564.76 -106.3,1547.24 -106.3,-27.56
Border:
  the board outline again, w7.87

## Text inside footprints (layer, text, board x,y; h text height)
U4: Top Assembly "Z" at 587.89,1037.59 h15.75; Top Assembly "X" at 499.87,989.9 h15.75; Top Assembly "Y" at 605.9,924.2 h15.75